# Altium PCB PuttPilot-Dev.PcbDoc (part 1 of 2) (continued)
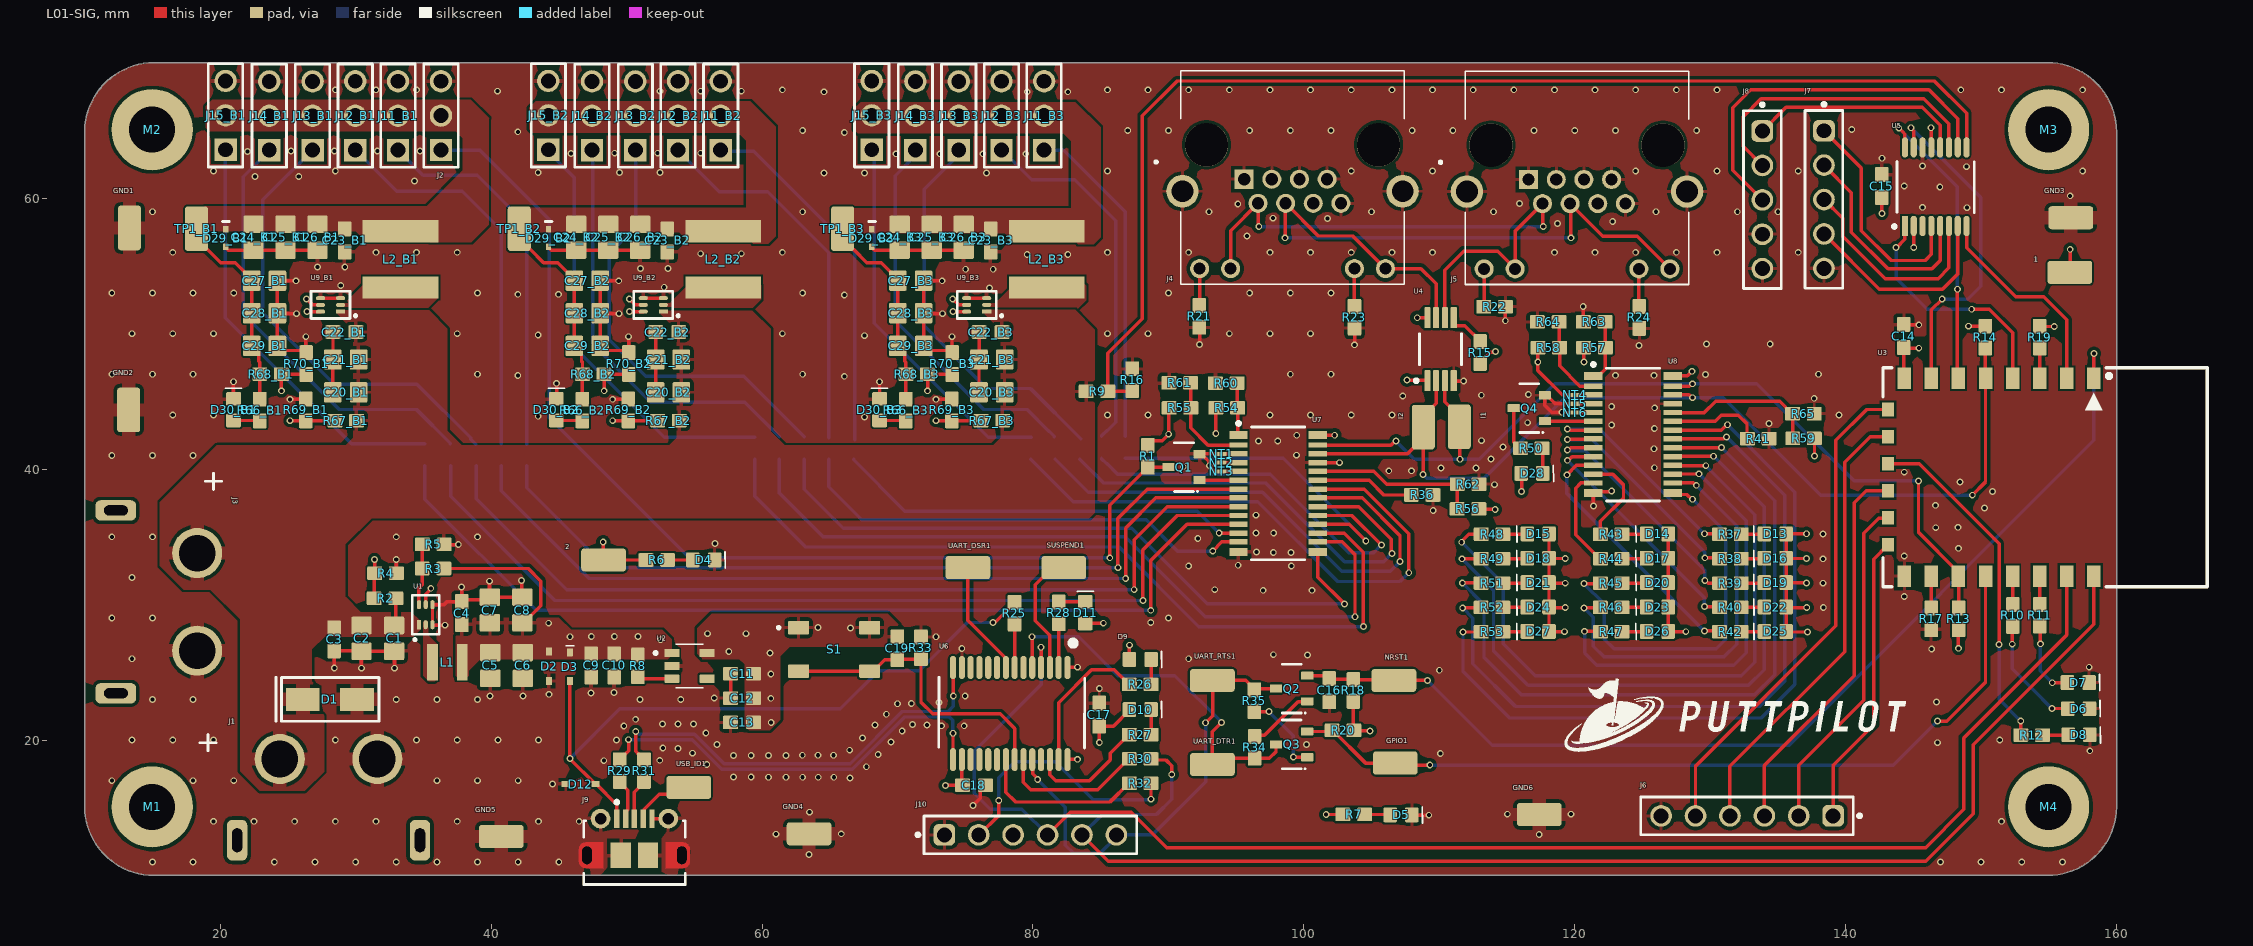
[diagram p0: L01-SIG view]
## Components (designator, comment, footprint, x,y, rotation, side; value= is the part's Value field where it differs from the comment) (continued)
J15_B2 "TSW-101-08-G-T-RA" HEADER_3POS_R/A_2.54MM 44.153,65.506 r0 top (schematic designator J15)
J15_B3 "TSW-101-08-G-T-RA" HEADER_3POS_R/A_2.54MM 68.028,65.506 r0 top (schematic designator J15)
L1 "NRH3012T4R7MN" NRH3012T4R7MN 36.775,25.75 r0 top
L2_B1 "SRP6060FA-5R6M" SRP6060FA-5R6M 33.316,55.481 r90 top (schematic designator L2)
L2_B2 "SRP6060FA-5R6M" SRP6060FA-5R6M 57.141,55.481 r90 top (schematic designator L2)
L2_B3 "SRP6060FA-5R6M" SRP6060FA-5R6M 81.016,55.481 r90 top (schematic designator L2)
M1 ".HOLE_M3" .HOLE_M3 15,15 r0 top locked
M2 ".HOLE_M3" .HOLE_M3 15,65 r0 top locked
M3 ".HOLE_M3" .HOLE_M3 155,65 r0 top locked
M4 ".HOLE_M3" .HOLE_M3 155,15 r0 top locked
NRST1 "RCWCTE" RCWCTE 106.62,24.48 r180 top
NT1 ".NET_TIE" .NET_TIE 93.76,41.125 r0 top
NT2 ".NET_TIE" .NET_TIE 93.76,40.475 r0 top
NT3 ".NET_TIE" .NET_TIE 93.76,39.825 r0 top
NT4 ".NET_TIE" .NET_TIE 119.86,45.475 r0 top
NT5 ".NET_TIE" .NET_TIE 119.86,44.825 r0 top
NT6 ".NET_TIE" .NET_TIE 119.855,44.178 r0 top
Q1 "DMN6140L-7" .SOT-23-3 91.204,40.273 r180 top
Q2 "MMBT2222A-7-F" .SOT-23-3 99.154,23.923 r180 top
Q3 "MMBT2222A-7-F" .SOT-23-3 99.15,19.8 r180 top
Q4 "DMN6140L-7" .SOT-23-3 116.7,44.625 r180 top
R1 "RC0603FR-071KL" .RES_0603 88.5,40.9 r90 top
R2 "ERJ-3EKF2002V" .RES_0603 32.125,30.45 r0 top
R3 "RC0603FR-0773K2L" .RES_0603 35.675,32.65 r0 top
R4 "RC0603FR-0710KL" .RES_0603 32.25,32.325 r180 top
R5 "RC0603FR-0710KL" .RES_0603 35.775,34.45 r180 top
R6 "RC0603FR-071KL" .RES_0603 52.275,33.3 r180 top
R7 "RC0603FR-071KL" .RES_0603 103.725,14.515 r180 top
R8 "RC0603FR-071KL" .RES_0603 50.85,25.425 r90 top
R9 "RC0603FR-07140KL" .RES_0603 84.775,45.75 r180 top
R10 "RC0603FR-071KL" .RES_0603 152.35,29.15 r90 top
R11 "RC0603FR-071KL" .RES_0603 154.35,29.175 r90 top
R12 "RC0603FR-071KL" .RES_0603 153.775,20.375 r180 top
R13 "RC0603FR-071KL" .RES_0603 148.325,29 r270 top
R14 "RC0603FR-071KL" .RES_0603 150.325,49.7 r90 top
R15 "RC0603FR-0710KL" .RES_0603 113,48.65 r270 top
R16 "RC0603FR-0710KL" .RES_0603 87.325,46.65 r270 top
R17 "RC0603FR-0710KL" .RES_0603 146.325,28.9 r90 top
R18 "RC0603FR-0710KL" .RES_0603 103.65,23.7 r270 top
R19 "RC0603FR-0710KL" .RES_0603 154.325,49.7 r90 top
R20 "RC0603FR-0710KL" .RES_0603 102.85,20.7 r0 top
R21 "RC0603FR-07560RL" .RES_0603 92.3,51.225 r90 top
R22 "RC0603FR-07560RL" .RES_0603 114.125,52 r180 top
R23 "RC0603FR-07560RL" .RES_0603 103.75,51.175 r90 top
R24 "RC0603FR-07560RL" .RES_0603 124.775,51.15 r90 top
R25 "RC0603FR-071KL" .RES_0603 78.65,29.325 r90 top
R26 "RC0603FR-07560RL" .RES_0603 87.875,24.09 r0 top
R27 "RC0603FR-07560RL" .RES_0603 87.875,20.39 r0 top
R28 "RC0603FR-07560RL" .RES_0603 81.925,29.35 r90 top
R29 "RC0603FR-0724RL" .RES_0603 49.5,17.7 r90 top
R30 "RC0603FR-071KL" .RES_0603 87.875,18.59 r0 top
R31 "RC0603FR-0724RL" .RES_0603 51.3,17.7 r90 top
R32 "RC0603FR-071KL" .RES_0603 87.875,16.79 r0 top
R33 "RC0603FR-071KL" .RES_0603 71.725,26.85 r270 top
R34 "RC0603FR-0710KL" .RES_0603 96.35,19.5 r270 top
R35 "RC0603FR-0710KL" .RES_0603 96.361,22.857 r90 top
R36 "RC0603FR-0710KL" .RES_0603 108.775,38.1 r180 top
R37 "RC0603FR-07240RL" .RES_0603 131.45,35.175 r0 top
R38 "RC0603FR-07240RL" .RES_0603 131.45,33.375 r0 top
R39 "RC0603FR-07240RL" .RES_0603 131.45,31.575 r0 top
R40 "RC0603FR-07240RL" .RES_0603 131.45,29.775 r0 top
R41 "RC0603FR-0710KL" .RES_0603 133.593,42.261 r180 top
R42 "RC0603FR-07240RL" .RES_0603 131.45,27.975 r0 top
R43 "RC0603FR-07240RL" .RES_0603 122.65,35.175 r0 top
R44 "RC0603FR-07240RL" .RES_0603 122.65,33.375 r0 top
R45 "RC0603FR-07240RL" .RES_0603 122.65,31.575 r0 top
R46 "RC0603FR-07240RL" .RES_0603 122.65,29.775 r0 top
R47 "RC0603FR-07240RL" .RES_0603 122.65,27.975 r0 top
R48 "RC0603FR-07240RL" .RES_0603 113.85,35.175 r0 top
R49 "RC0603FR-07240RL" .RES_0603 113.85,33.375 r0 top
R50 "RC0603FR-07240RL" .RES_0603 116.75,41.525 r0 top
R51 "RC0603FR-07240RL" .RES_0603 113.85,31.575 r0 top
R52 "RC0603FR-07240RL" .RES_0603 113.85,29.775 r0 top
R53 "RC0603FR-07240RL" .RES_0603 113.85,27.975 r0 top
R54 "RC0603FR-071KL" .RES_0603 94.35,44.525 r180 top
R55 "RC0603FR-071KL" .RES_0603 90.9,44.525 r180 top
R56 "RC0603FR-071KL" .RES_0603 112.075,37.05 r0 top
R57 "RC0603FR-071KL" .RES_0603 121.5,48.975 r180 top
R58 "RC0603FR-071KL" .RES_0603 118.125,48.975 r180 top
R59 "RC0603FR-071KL" .RES_0603 136.85,42.25 r0 top
R60 "RC0603FR-071KL" .RES_0603 94.232,46.339 r0 top
R61 "RC0603FR-071KL" .RES_0603 90.8,46.35 r0 top
R62 "RC0603FR-071KL" .RES_0603 112.175,38.9 r180 top
R63 "RC0603FR-071KL" .RES_0603 121.4,50.85 r0 top
R64 "RC0603FR-071KL" .RES_0603 118,50.85 r0 top
R65 "RC0603FR-071KL" .RES_0603 136.925,44.1 r180 top
R66_B1 "RC0603FR-071KL" .RES_0603 22.928,44.313 r90 top (schematic designator R66)
R66_B2 "RC0603FR-071KL" .RES_0603 46.753,44.313 r90 top (schematic designator R66)
R66_B3 "RC0603FR-071KL" .RES_0603 70.628,44.313 r90 top (schematic designator R66)
R67_B1 "ERJ-3EKF2002V" .RES_0603 29.227,43.569 r0 top (schematic designator R67)
R67_B2 "ERJ-3EKF2002V" .RES_0603 53.052,43.569 r0 top (schematic designator R67)
R67_B3 "ERJ-3EKF2002V" .RES_0603 76.927,43.569 r0 top (schematic designator R67)
R68_B1 "RC0603FR-0788K7L" .RES_0603 23.766,47.023 r180 top (schematic designator R68)
R68_B2 "RC0603FR-0788K7L" .RES_0603 47.591,47.023 r180 top (schematic designator R68)
R68_B3 "RC0603FR-0788K7L" .RES_0603 71.466,47.023 r180 top (schematic designator R68)
R69_B1 "RC0603FR-0710KL" .RES_0603 26.306,44.407 r270 top (schematic designator R69)
R69_B2 "RC0603FR-0710KL" .RES_0603 50.131,44.407 r270 top (schematic designator R69)
R69_B3 "RC0603FR-0710KL" .RES_0603 74.006,44.407 r270 top (schematic designator R69)
R70_B1 "RC0603FR-0710KL" .RES_0603 26.331,47.836 r270 top (schematic designator R70)
R70_B2 "RC0603FR-0710KL" .RES_0603 50.156,47.836 r270 top (schematic designator R70)
R70_B3 "RC0603FR-0710KL" .RES_0603 74.031,47.836 r270 top (schematic designator R70)
R71_B1 "RC0603FR-07240RL" .RES_0603 42.625,41.075 r270 bottom (schematic designator R71)
R71_B2 "RC0603FR-07240RL" .RES_0603 66.775,41.575 r270 bottom (schematic designator R71)
R71_B3 "RC0603FR-07240RL" .RES_0603 86.825,41.65 r270 bottom (schematic designator R71)
R72_B1 "RC0603FR-07240RL" .RES_0603 40.8,41.075 r270 bottom (schematic designator R72)
R72_B2 "RC0603FR-07240RL" .RES_0603 64.925,41.55 r270 bottom (schematic designator R72)
R72_B3 "RC0603FR-07240RL" .RES_0603 85.075,41.65 r270 bottom (schematic designator R72)
R73_B1 "RC0603FR-07240RL" .RES_0603 38.875,41.075 r270 bottom (schematic designator R73)
R73_B2 "RC0603FR-07240RL" .RES_0603 63.125,41.575 r270 bottom (schematic designator R73)
R73_B3 "RC0603FR-07240RL" .RES_0603 83.35,41.65 r270 bottom (schematic designator R73)
R74_B1 "RC0603FR-07240RL" .RES_0603 37,41.1 r270 bottom (schematic designator R74)
R74_B2 "RC0603FR-07240RL" .RES_0603 61.275,41.575 r270 bottom (schematic designator R74)
R74_B3 "RC0603FR-07240RL" .RES_0603 81.6,41.625 r270 bottom (schematic designator R74)
R75_B1 "RC0603FR-07240RL" .RES_0603 35.1,41.1 r270 bottom (schematic designator R75)
R75_B2 "RC0603FR-07240RL" .RES_0603 59.475,41.6 r270 bottom (schematic designator R75)
R75_B3 "RC0603FR-07240RL" .RES_0603 79.9,41.6 r270 bottom (schematic designator R75)
S1 "PTS647SN38SMTR2LFS" PTS647SN38SMTR2LFS 65.325,26.65 r0 top
SUSPEND1 "RCWCTE" RCWCTE 82.245,32.805 r180 top
TP1_B1 "RCWCTE" RCWCTE 18.174,57.72 r270 top (schematic designator TP1)
TP1_B2 "RCWCTE" RCWCTE 41.999,57.72 r270 top (schematic designator TP1)
TP1_B3 "RCWCTE" RCWCTE 65.874,57.72 r270 top (schematic designator TP1)
U1 "TPS566242DRLR" TPS566242DRLR 35.175,29.25 r90 top
U2 "TLV75533PDBVR" .SOT-23-5 54.65,25.525 r0 top
U3 "2491-ESP8266" 2491-ESP8266 151.934,39.355 r270 top locked
U4 "TCA9509DGKR" TCA9509DGKR 110.1,48.85 r90 top
U5 "TMUX1208PWR" TMUX1208 146.65,60.85 r90 top
U6 "CY7C64225-28PVXCT" CY7C64225-28PVXCT 78.325,21.95 r270 top
U7 "PCA9685PW,112" PCA9685PW,112 98.1,38.2 r0 top
U8 "PCA9685PW,112" PCA9685PW,112 124.3,42.55 r0 top
U9_B1 "TPS566242DRLR" TPS566242DRLR 28.149,52.12 r180 top (schematic designator U9)
U9_B2 "TPS566242DRLR" TPS566242DRLR 51.974,52.12 r180 top (schematic designator U9)
U9_B3 "TPS566242DRLR" TPS566242DRLR 75.849,52.12 r180 top (schematic designator U9)
UART_DSR1 "RCWCTE" RCWCTE 75.17,32.805 r180 top
UART_DTR1 "RCWCTE" RCWCTE 93.22,18.28 r180 top
UART_RTS1 "RCWCTE" RCWCTE 93.22,24.48 r180 top
USB_ID1 "RCWCTE" RCWCTE 54.57,16.58 r180 top

## Footprints (in the part's own frame and the unit in brackets; to place one, negate y for a bottom-side part, rotate by r counter-clockwise, add the part's x,y. Pads: shape width x height; smd on the part's side, far side on the other; paste and mask are expansions set on the pad)
2491-ESP8266 [mm]
  rect 1.6x1 smd: 1(-7.345,6.391) 2(-7.345,4.391) 3(-7.345,2.391) 4(-7.345,0.391) 5(-7.345,-1.609) 6(-7.345,-3.609) 7(-7.345,-5.609) 8(-7.345,-7.609) 15(7.255,-7.609) 16(7.255,-5.609) 17(7.255,-3.609) 18(7.255,-1.609) 19(7.255,0.391) 20(7.255,2.391) 21(7.255,4.391) 22(7.255,6.391)
  rect 1x0.9 smd: 9(-5.045,-8.809) 10(-3.045,-8.809) 11(-1.045,-8.809) 12(0.955,-8.809) 13(2.955,-8.809) 14(4.955,-8.809)
  silkscreen extent -8.13,-9.18 8.04,14.76, body extent -8.04,-9.1 7.96,14.9, height 2.75
.CAP_0603 [mm] "GENERIC 0603 CAPACITOR"
  rrect15% 1.1x1 smd: 1(-0.873,0.07) 2(0.827,0.07)
  body extent -0.9,-0.38 0.85,0.57, height 0.87
.CAP_0805 [mm] "GENERIC 0805 CAPACITOR"
  rrect15% 1.3x1.5 smd: 1(-0.995,0.036) 2(0.905,0.036)
  body extent -1.14,-0.66 1.05,0.79, height 1.39
.HOLE_M3 [mm]
  round 6 hole 3.4: 1(-0.02,0.06)
.LED_0603 [mm] ".GENERIC 0603 LED"
  rrect20% 1x1.1 smd: 1(-0.75,-0.04) 2(0.85,-0.04)
  silkscreen extent 1.62,-0.64 1.64,0.56, body extent -0.76,-0.44 0.86,0.36, height 0.6
.NET_TIE [mm]
  rrect15% 0.4x0.3 smd paste-2539.97 mask+0: 1(-0.025,0) 2(0.34,0)
.RES_0603 [mm] "GENERIC 0603 RESISTOR"
  rrect15% 1.1x1 smd: 1(-0.757,0.011) 2(0.843,0.011)
  body extent -0.76,-0.39 0.84,0.41, height 0.46
.SOT-23-3 [mm]
  rrect15% 0.9x0.6 smd: 1(-1.096,1.073) 2(-1.096,-0.827) 3(1.204,0.123)
  silkscreen extent -1,-1.68 0.75,1.97, body extent -1.25,-1.38 1.35,1.62, height 1.1
.SOT-23-5 [mm] ".GENERIC SOT-23-5"
  rrect10% 1.1x0.6 smd: 1(-1.3,0.9) 2(-1.3,-0.05) 3(-1.3,-1) 4(1.3,-1) 5(1.3,0.9)
  silkscreen extent -2.61,-1.65 1,1.55, body extent -1.4,-1.5 1.4,1.4, height 1.45
BAT60JFILM [mm]
  rrect15% 0.59x0.45 smd: 1(-1.115,-0.04) 2(0.995,-0.04)
  silkscreen extent 1.5,-0.38 1.5,0.28, body extent -1.31,-0.68 1.19,0.6, height 1.17
CY7C64225-28PVXCT [mm]
  oval 1.7x0.45 smd: 1(-3.405,4.225) 2(-3.405,3.575) 3(-3.405,2.925) 4(-3.405,2.275) 5(-3.405,1.625) 6(-3.405,0.975) 7(-3.405,0.325) 8(-3.405,-0.325) 9(-3.405,-0.975) 10(-3.405,-1.625) 11(-3.405,-2.275) 12(-3.405,-2.925) 13(-3.405,-3.575) 14(-3.405,-4.225) 15(3.395,-4.225) 16(3.395,-3.575) 17(3.395,-2.925) 18(3.395,-2.275) 19(3.395,-1.625) 20(3.395,-0.975) 21(3.395,-0.325) 22(3.395,0.325) 23(3.395,0.975) 24(3.395,1.625) 25(3.395,2.275) 26(3.395,2.925) 27(3.395,3.575) 28(3.395,4.225)
  silkscreen extent -5.4,-5.28 2.54,5.5, body extent -4.05,-5.19 4.05,5.19, height 2.01
DESD5V0U1BA-7 [mm]
  rect 0.59x0.45 smd: 1(-1.09,0) 2(1.09,0)
  body extent -1.35,-0.7 1.35,0.7, height 1.2
ESD5Z6.0T1G [mm]
  rect 0.48x0.4 smd: 1(-0.66,0) 2(0.66,0)
  silkscreen extent -1.22,-0.24 -1.22,0.26, body extent -0.85,-0.44 0.85,0.44, height 0.46
HEADER_3POS_R/A_2.54MM [mm]
  rect 1.65x1.65 / inner round 1.65 / far side rect 1.65x1.65 hole 1.1: 1(0.072,-1.931)
  round 1.65 hole 1.1: 2(0.072,0.609) 3(0.072,3.149)
  silkscreen extent -1.2,-3.2 1.34,4.42, body extent -1.2,-2.25 1.34,13.05, height 8.1
HEADER_5POS_2.54MM [mm]
  rrect50% 1.6x1.6 hole 1.1 mask+0.1: 1(-5.08,0)
  round 1.6 hole 1.1 mask+0.1: 2(-2.54,0) 3(0,0) 4(2.54,0) 5(5.08,0)
  silkscreen extent -7.15,-1.39 6.55,1.4, body extent -6.38,-1.18 6.32,1.36, height 10.62
HEADER_6POS_2.54MM [mm]
  rrect50% 1.6x1.6 hole 1.1 mask+0.1: 1(-6.35,0)
  round 1.6 hole 1.1 mask+0.1: 2(-3.81,0) 3(-1.27,0) 4(1.27,0) 5(3.81,0) 6(6.35,0)
  silkscreen extent -8.43,-1.4 7.84,1.4, body extent -7.62,-1.27 7.62,1.27, height 8.57
MTJ-88ARX1-FSM-LG [mm]
  rect 1.408x1.408 / inner round 1.408 / far side rect 1.408x1.408 hole 0.9: 1(3.403,0.537)
  round 1.408 hole 0.9: 2(2.383,2.317) 3(1.363,0.537) 4(0.343,2.317) 5(-0.677,0.537) 6(-1.697,2.317) 7(-2.717,0.537) 8(-3.737,2.317) 9(6.693,7.137) 10(4.403,7.137) 11(-4.737,7.137) 12(-7.027,7.137)
  round 2.4 hole 1.6: SH1(-8.292,1.427) SH2(7.958,1.427)
  round 3.2 hole 3.2 unplated: ""(-6.517,-2.003) ""(6.183,-2.003)
  silkscreen extent -8.42,-7.46 10.01,8.29, body extent -8.57,-7.66 8.24,8.48, height 13.21
NRH3012T4R7MN [mm]
  rect 0.8x2.7 smd: 1(-1.1,0) 2(1.1,0)
  body extent -1.55,-1.55 1.55,1.55, height 1.19
PCA9685PW,112 [mm]
  rect 1.35x0.6 smd: 1(-2.924,4.326) 14(-2.924,-4.324) 15(2.926,-4.324) 28(2.926,4.326)
  rect 1.35x0.4 smd: 2(-2.924,3.576) 3(-2.924,2.926) 4(-2.924,2.276) 5(-2.924,1.626) 6(-2.924,0.976) 7(-2.924,0.326) 8(-2.924,-0.324) 9(-2.924,-0.974) 10(-2.924,-1.624) 11(-2.924,-2.274) 12(-2.924,-2.924) 13(-2.924,-3.574) 16(2.926,-3.574) 17(2.926,-2.924) 18(2.926,-2.274) 19(2.926,-1.624) 20(2.926,-0.974) 21(2.926,-0.324) 22(2.926,0.326) 23(2.926,0.976) 24(2.926,1.626) 25(2.926,2.276) 26(2.926,2.926) 27(2.926,3.576)
  silkscreen extent -3.05,-4.9 1.96,5.3, body extent -3.3,-4.9 3.3,4.9, height 1.09
PTS647SN38SMTR2LFS [mm]
  rrect15% 1.55x1 smd mask+0.1: 1(-2.625,1.64) 2(2.625,1.64) 3(-2.625,-1.56) 4(2.625,-1.56)
  silkscreen extent -4.2,1.54 -4,1.74, body extent -3.25,-2.21 3.25,2.29, height 3.8
RCWCTE [mm]
  rrect25% 3.3x1.7 smd: 1(-0.03,0.08)
  body extent -1.63,-0.72 1.57,0.88, height 2.01
SMAJ12A-13-F [mm]
  rect 2.5x1.7 smd: 1(-2,0) 2(2,0)
  silkscreen extent -3.62,-1.64 3.98,1.62, body extent -2.8,-1.46 2.8,1.46, height 2.35
SRP6060FA-5R6M [mm]
  rect 1.65x5.6 smd: 1(-2.075,0) 2(2.075,0)
  body extent -3.2,-3.3 3.2,3.3, height 5.91
TCA9509DGKR [mm]
  rrect22% 1.55x0.45 smd mask+0.075: 1(-2.325,0.982) 2(-2.325,0.332) 3(-2.325,-0.318) 4(-2.325,-0.968) 5(2.325,-0.968) 6(2.325,-0.318) 7(2.325,0.332) 8(2.325,0.982)
  silkscreen extent -2.45,-1.54 1.15,1.93, body extent -2.45,-1.49 2.45,1.51, height 0.94
TMUX1208 [mm]
  rect 1.5x0.45 smd mask+0.075: 1(-2.9,2.275)
  oval 1.5x0.45 smd mask+0.075: 2(-2.9,1.625) 3(-2.9,0.975) 4(-2.9,0.325) 5(-2.9,-0.325) 6(-2.9,-0.975) 7(-2.9,-1.625) 8(-2.9,-2.275) 9(2.9,-2.275) 10(2.9,-1.625) 11(2.9,-0.975) 12(2.9,-0.325) 13(2.9,0.325) 14(2.9,0.975) 15(2.9,1.625) 16(2.9,2.275)
  silkscreen extent -3.06,-2.84 1.86,3.18, body extent -3.2,-2.5 3.2,2.5, height 1.2
TPS566242DRLR [mm]
  rect 0.67x0.3 smd mask+0.075: 1(-0.74,0.5)
  oval 0.67x0.3 smd mask+0.075: 2(-0.74,0) 3(-0.74,-0.5) 4(0.74,-0.5) 5(0.74,0) 6(0.74,0.5)
  silkscreen extent -1.9,-1 1.44,1, body extent -0.8,-0.78 0.8,0.78, height 0.6
USB_MICRO_B [mm]
  rect 0.4x1.35 smd: 1(-1.32,2.39) 2(-0.67,2.39) 3(-0.02,2.39) 4(0.63,2.39) 5(1.28,2.39)
  round 1.45 hole 0.85: 6(-2.52,2.39) 7(2.48,2.39)
  rrect50% 0x0 hole 0.7 slot 1.3 at 90 deg: 8(-3.52,-0.31) 11(3.48,-0.31)
  rect 1.5x1.9 smd: 9(-1.02,-0.31) 10(0.98,-0.31)
  L01-SIG circle w0.5: c-3.62,-0.76 r0.25
  L01-SIG circle w0.5: c-3.62,0.14 r0.25
  L01-SIG circle w0.5: c3.58,-0.76 r0.25
  L01-SIG circle w0.5: c3.58,0.14 r0.25
  L01-SIG region: -3.62,-0.76 -3.62,0.14 -4.12,0.14 -4.12,-0.76
  L01-SIG region: 3.58,0.14 3.58,-0.76 4.08,-0.76 4.08,0.14
  L01-SIG region: 2.28,0.64 2.28,-1.26 3.58,-1.26 3.58,0.64
  L01-SIG region: -2.32,-1.26 -2.32,0.64 -3.62,0.64 -3.62,-1.26
  silkscreen extent -3.77,-2.46 3.73,3.74, body extent -4.12,-2.86 4.08,2.54, height 2.67
XT60PW-M [mm] "XT60 Male"
  round 3.7 hole 2.7: 1(3.6,-6) 2(-3.6,-6)
  rrect50% 1.5x3 hole 0.75 slot 1.75 at 90 deg: MH0(-6.75,0) MH1(6.75,0)
  silkscreen extent 8.3,-7.8 9.5,-6.6, body extent -7.75,-7.85 7.75,10.35, height 8.41

## Part data
1 2 GND1 GND2 GND3 GND4 GND5 GND6 GPIO1 I1 I2 NRST1 SUSPEND1 TP1_B1 TP1_B2 TP1_B3 UART_DSR1 UART_DTR1 UART_RTS1 USB_ID1: "SMT Test Point", Case Code (Imperial)=1206, Case Code (Metric)=3216, Current Rating=2A, Manufacturer="KOA Speer", Max Operating Temperature=125°C, Min Operating Temperature=-55°C, Resistance=0R, Supplier Part Number 1=2019-RCWCTECT-ND, Case/Package=1206, Category="Chip SMD Resistors", ComponentLink1Description=https://datasheet.ciiva.com/34302/1876186-34302940.pdf?src-supplier=Jameco, ComponentLink1URL=https://datasheet.ciiva.com/34302/1876186-34302940.pdf?src-supplier=Jameco, ComponentLink2Description=https://datasheet.ciiva.com/5556/rc-5556236.pdf?src-supplier=Mouser, ComponentLink2URL=https://datasheet.ciiva.com/5556/rc-5556236.pdf?src-supplier=Mouser, ComponentLink3Description=https://datasheet.ciiva.com/26821/getdatasheetpartid-110197-26821157.pdf?src-supplier=Verical, ComponentLink3URL=https://datasheet.ciiva.com/26821/getdatasheetpartid-110197-26821157.pdf?src-supplier=Verical, Contact Material=Copper,Tin, Depth=1.6mm, Height=2mm, Length=3.2mm, Manufacturer Part Number=RCWCTE, Military Standard=Not, Mount="Surface Mount", Number of Contacts=1, Packaging="Tape and Reel", Pricing 1="1=0.2, 10=0.15, 25=0.1344, 50=0.1238, 100=0.1141, 250=0.10268, 500=0.09488, 1000=0.08781 (USD)", RoHS=Yes, RoHS Compliant=Yes, Series=RC, Stock 1=56953, Supplier 1=Digikey, Termination=SMD/SMT, Width=1.6mm
C1 C2 C5 C6 C7 C8 C20_B1 C20_B2 C20_B3 C21_B1 C21_B2 C21_B3 C24_B1 C24_B2 C24_B3 C25_B1 C25_B2 C25_B3 C26_B1 C26_B2 C26_B3 C27_B1 C27_B2 C27_B3 C28_B1 C28_B2 C28_B3 C29_B1 C29_B2 C29_B3: "CAP CER 22uF 25V X5R 0805", Capacitance=22uF, Capacitor Type=Ceramic, Manufacturer=Murata, Max Operating Temperature=85°C, Min Operating Temperature=-55°C, Negative Tolerance=20%, Package Shape=Rectangular, Package Style=SMTMeter, Rated DC Voltage (URdc)=25V, Supplier Part Number 1=1092989, Temperature Characteristics Code=X5R, Category="Ceramic Capacitors", ComponentLink1Description=https://datasheet.ciiva.com:443/pdfs/VipMasterIC/IC/MURE/MURE-S-A0002977178/MURE-S-A0002978778-1.pdf?src-supplier=IHS+Markit, ComponentLink1URL=https://datasheet.ciiva.com:443/pdfs/VipMasterIC/IC/MURE/MURE-S-A0002977178/MURE-S-A0002978778-1.pdf?src-supplier=IHS+Markit, ComponentLink2Description=http://www.mouser.com/ds/2/281/c02e-2905.pdf?src-supplier=Mouser, ComponentLink2URL=http://www.mouser.com/ds/2/281/c02e-2905.pdf?src-supplier=Mouser, ComponentLink3Description=https://datasheet.octopart.com/GRM21BR61E226ME44K-Murata-datasheet-155345081.pdf?src-supplier=Element14, ComponentLink3URL=https://datasheet.octopart.com/GRM21BR61E226ME44K-Murata-datasheet-155345081.pdf?src-supplier=Element14, ComponentLink4Description=http://search.murata.co.jp/Ceramy/image/img/A01X/G101/ENG/GRM21BR61E226ME44-01.pdf?src-supplier=Digikey, ComponentLink4URL=http://search.murata.co.jp/Ceramy/image/img/A01X/G101/ENG/GRM21BR61E226ME44-01.pdf?src-supplier=Digikey, ComponentLink5Description=https://search.murata.co.jp/Ceramy/image/img/A01X/G101/ENG/GRM21BR61E226ME44-01.pdf?src-supplier=Digikey, ComponentLink5URL=https://search.murata.co.jp/Ceramy/image/img/A01X/G101/ENG/GRM21BR61E226ME44-01.pdf?src-supplier=Digikey, ComponentLink6Description=https://datasheet.octopart.com/GRM21BR61E226ME44K-Murata-datasheet-99353850.pdf?src-supplier=Future+Electronics, ComponentLink6URL=https://datasheet.octopart.com/GRM21BR61E226ME44K-Murata-datasheet-99353850.pdf?src-supplier=Future+Electronics, ComponentLink7Description=https://datasheet.octopart.com/GRM21BR61E226ME44K-Murata-datasheet-155345081.pdf?src-supplier=Newark, ComponentLink7URL=https://datasheet.octopart.com/GRM21BR61E226ME44K-Murata-datasheet-155345081.pdf?src-supplier=Newark, ComponentLink8Description=https://datasheet.octopart.com/GRM21BR61E226ME44K-Murata-datasheet-165579666.pdf?src-supplier=TME, ComponentLink8URL=https://datasheet.octopart.com/GRM21BR61E226ME44K-Murata-datasheet-165579666.pdf?src-supplier=TME, Dielectric Material=Ceramic, Height=1.25mm, JESD-609 Code=e3, Length=2mm, Manufacturer Part Number=GRM21BR61E226ME44K, Mount="Surface Mount", Multilayer=Yes, Number of Pins=2, Packaging="Tape and Reel", Positive Tolerance=20%, Pricing 1="10000=0.0684, 20000=0.0672, 30000=0.0661 (USD)", Reach SVHC Compliant=Yes, RoHS=Yes, RoHS Compliant=Yes, Size Code=0805, Stock 1=60000, Supplier 1="Future Electronics", Terminal Finish=Nickel, Termination=Wraparound, Width=1.25mm
C3 C4 C11 C14 C15 C16 C17 C18 C22_B1 C22_B2 C22_B3 C23_B1 C23_B2 C23_B3: "CAP CER 0.1uF 50V X7R 0603", Capacitance=0.1uF, Capacitor Type=Ceramic, Manufacturer=Murata, Max Operating Temperature=125°C, Min Operating Temperature=-55°C, Negative Tolerance=10%, Package Shape=Rectangular, Package Style=SMTMeter, Rated DC Voltage (URdc)=50V, Supplier Part Number 1=1158604, Temperature Characteristics Code=X7R, Category="Ceramic Capacitors", ComponentLink1Description=https://psearch.en.murata.com:443/capacitor/product/GCJ188R71H104KA12%23.pdf?src-supplier=IHS+Markit, ComponentLink1URL=https://psearch.en.murata.com:443/capacitor/product/GCJ188R71H104KA12%23.pdf?src-supplier=IHS+Markit, ComponentLink2Description=https://datasheet.ciiva.com/135/product-135604.pdf?src-supplier=Digikey, ComponentLink2URL=https://datasheet.ciiva.com/135/product-135604.pdf?src-supplier=Digikey, ComponentLink3Description=https://datasheet.ciiva.com/26889/getdatasheetpartid-369886-26889118.pdf?src-supplier=Verical, ComponentLink3URL=https://datasheet.ciiva.com/26889/getdatasheetpartid-369886-26889118.pdf?src-supplier=Verical, ComponentLink4Description=https://datasheet.ciiva.com/135/s0717e-135605.pdf?src-supplier=Digikey, ComponentLink4URL=https://datasheet.ciiva.com/135/s0717e-135605.pdf?src-supplier=Digikey, ComponentLink5Description=https://datasheet.ciiva.com/135/s0717e-135606.pdf?src-supplier=Digikey, ComponentLink5URL=https://datasheet.ciiva.com/135/s0717e-135606.pdf?src-supplier=Digikey, ComponentLink6Description=https://datasheet.ciiva.com/16440/c03e-16440425.pdf?src-supplier=Future+Electronics, ComponentLink6URL=https://datasheet.ciiva.com/16440/c03e-16440425.pdf?src-supplier=Future+Electronics, Dielectric Material=Ceramic, Height=0.8mm, JESD-609 Code=e3, Length=1.6mm, Manufacturer Part Number=GCJ188R71H104KA12D, Mount="Surface Mount", Multilayer=Yes, Number of Pins=2, Packaging="Tape and Reel", Positive Tolerance=10%, Pricing 1="4000=0.0182, 12000=0.0178, 20000=0.0176, 80000=0.017, 120000=0.0167 (USD)", Reach SVHC Compliant=Yes, Reference Standard=AEC-Q200, RoHS=Yes, RoHS Compliant=Yes, Size Code=0603, Stock 1=3280000, Supplier 1="Future Electronics", Terminal Finish=Nickel, Termination=Wraparound, Width=0.8mm
C9 C10 C12 C13: "CAP CER 1uF 25V X7R 0603", Capacitance=1uF, Capacitor Type=Ceramic, Manufacturer=Murata, Max Operating Temperature=125°C, Min Operating Temperature=-55°C, Negative Tolerance=10%, Package Shape=Rectangular, Rated DC Voltage (URdc)=25V, Supplier Part Number 1=6183026, Temperature Characteristics Code=X7R, Category="Ceramic Capacitors", ComponentLink1Description=https://datasheet.ciiva.com:443/pdfs/VipMasterIC/IC/MURE/MURE-S-A0004410517/MURE-S-A0004413605-1.pdf?src-supplier=IHS+Markit, ComponentLink1URL=https://datasheet.ciiva.com:443/pdfs/VipMasterIC/IC/MURE/MURE-S-A0004410517/MURE-S-A0004413605-1.pdf?src-supplier=IHS+Markit, ComponentLink2Description=http://www.farnell.com/datasheets/2165962.pdf?src-supplier=Farnell, ComponentLink2URL=http://www.farnell.com/datasheets/2165962.pdf?src-supplier=Farnell, ComponentLink3Description=https://datasheet.octopart.com/GRT188R71E105KE13D-Murata-datasheet-149523601.pdf?src-supplier=Farnell, ComponentLink3URL=https://datasheet.octopart.com/GRT188R71E105KE13D-Murata-datasheet-149523601.pdf?src-supplier=Farnell, ComponentLink4Description=https://datasheet.octopart.com/GRT188R71E105KE13D-Murata-datasheet-67697754.pdf?src-supplier=Newark, ComponentLink4URL=https://datasheet.octopart.com/GRT188R71E105KE13D-Murata-datasheet-67697754.pdf?src-supplier=Newark, ComponentLink5Description=https://datasheet.octopart.com/GRT188R71E105KE13D-Murata-datasheet-165579666.pdf?src-supplier=TME, ComponentLink5URL=https://datasheet.octopart.com/GRT188R71E105KE13D-Murata-datasheet-165579666.pdf?src-supplier=TME, Dielectric Material=Ceramic, JESD-609 Code=e3, Manufacturer Part Number=GRT188R71E105KE13D, Mount="Surface Mount", Multilayer=Yes, Number of Pins=2, Packaging="Tape and Reel", Positive Tolerance=10%, Pricing 1="4000=0.0164, 12000=0.0158, 20000=0.0155, 80000=0.0148, 120000=0.0144 (USD)", Reach SVHC Compliant=Yes, Reference Standard=AEC-Q200, RoHS=Yes, RoHS Compliant=Yes, Size Code=0603, Stock 1=236000, Supplier 1="Future Electronics", Terminal Finish=Nickel, Termination=Wraparound
C19: "CAP CER 0.01uF 100V X7R", Capacitance=10nF, Case Code (Imperial)=0603, Case Code (Metric)=1608, Dielectric=X7R, Manufacturer=Murata, Max Operating Temperature=125°C, Min Operating Temperature=-55°C, Package Quantity=1, Ratings=AEC-Q200, Supplier Part Number 1=5029232, Tolerance=10%, Voltage=100V, Case/Package=0603, Category="Ceramic Capacitors", ComponentLink1Description=https://datasheet.ciiva.com/132/product-132907.pdf?src-supplier=Digikey, ComponentLink1URL=https://datasheet.ciiva.com/132/product-132907.pdf?src-supplier=Digikey, ComponentLink2Description=https://datasheet.ciiva.com/132/product-132908.pdf?src-supplier=Digikey, ComponentLink2URL=https://datasheet.ciiva.com/132/product-132908.pdf?src-supplier=Digikey, ComponentLink3Description=https://datasheet.ciiva.com/132/product-132909.pdf?src-supplier=Digikey, ComponentLink3URL=https://datasheet.ciiva.com/132/product-132909.pdf?src-supplier=Digikey, ComponentLink4Description=https://datasheet.ciiva.com/16497/product-16497251.pdf?src-supplier=Future+Electronics, ComponentLink4URL=https://datasheet.ciiva.com/16497/product-16497251.pdf?src-supplier=Future+Electronics, ComponentLink5Description=https://datasheet.ciiva.com/18183/getdatasheetpartid-178890-18183651.pdf?src-supplier=Verical, ComponentLink5URL=https://datasheet.ciiva.com/18183/getdatasheetpartid-178890-18183651.pdf?src-supplier=Verical, ComponentLink6Description=https://datasheet.ciiva.com/11786/0900766b80ef92d0-11786108.pdf?src-supplier=Rs, ComponentLink6URL=https://datasheet.ciiva.com/11786/0900766b80ef92d0-11786108.pdf?src-supplier=Rs, ComponentLink7Description=https://datasheet.ciiva.com/11619/product-11619719.pdf?src-supplier=Avnet, ComponentLink7URL=https://datasheet.ciiva.com/11619/product-11619719.pdf?src-supplier=Avnet, Construction=Flat, Depth=0.8mm, Height=0.8mm, Lead Free="Lead Free", Length=1.6mm, Manufacturer Part Number=GCM188R72A103KA37D, Material=Ceramic, Mount="Surface Mount", Packaging="Tape and Reel", Pricing 1="4000=0.0077, 16000=0.0074, 60000=0.0071, 100000=0.007, 200000=0.0068 (USD)", Radiation Hardening=No, Reach SVHC Compliant=No, RoHS=Yes, RoHS Compliant=Yes, Series=GCM, Stock 1=4568000, Supplier 1="Future Electronics", Termination=SMD/SMT, Thickness=0.035inch, Voltage Rating=100V, Voltage Rating (DC)=100V, Width=0.031inch
D1: "TVS DIODE 12VWM", Breakdown Voltage-Nom=14V, Clamping Voltage-Max=19.9V, Manufacturer=Diodes, Max Breakdown Voltage=14.7V, Max Operating Temperature=150°C, Max Power Dissipation=1W, Min Breakdown Voltage=13.3V, Min Operating Temperature=-55°C, Non-rep Peak Rev Power Dis-Max=400W, Package Body Material=Plastic, Package Shape=Rectangular, Package Style="SMALL OUTLINEMeter", Peak Reflow Temperature (Cel)=260°C, Rep Pk Reverse Voltage-Max=12V, Supplier Part Number 1=SMAJ12A-FDICT-ND, Time @ Peak Reflow Temperature-Max (s)=40s, Additional Feature="EXCELLENT CLAMPING CAPABILITY", Category="TVS Diodes", ComponentLink1Description=https://datasheet.ciiva.com:443/pdfs/VipMasterIC/IC/DIOD/DIOD-S-A0009689838/DIOD-S-A0009691421-1.pdf?src-supplier=IHS+Markit, ComponentLink1URL=https://datasheet.ciiva.com:443/pdfs/VipMasterIC/IC/DIOD/DIOD-S-A0009689838/DIOD-S-A0009691421-1.pdf?src-supplier=IHS+Markit, ComponentLink2Description=https://datasheet.ciiva.com/15143/getdatasheetpartid-164236-15143864.pdf?src-supplier=Verical, ComponentLink2URL=https://datasheet.ciiva.com/15143/getdatasheetpartid-164236-15143864.pdf?src-supplier=Verical, Diode Element Material=SILICON, Diode Type="TRANS VOLTAGE SUPPRESSOR", JESD-30 Code=R-PDSO-C2, JESD-609 Code=e3, Manufacturer Part Number=SMAJ12A-13-F, Moisture Sensitivity Level=1, Number of Elements=1, Number of Pins=2, Polarity=Unidirectional, Pricing 1="1=0.29, 10=0.197, 100=0.1322, 500=0.1019, 1000=0.09178, 2000=0.08313 (USD)", Qualification Status="Not Qualified", Reach SVHC Compliant=No, RoHS=Yes, RoHS Compliant=Yes, Stock 1=25706, Supplier 1=Digikey, Surface Mount=Yes, Technology=AVALANCHE, Terminal Finish=Tin, Terminal Form="C BEND", Terminal Position=DUAL
D2 D12: "TVS DIODE 5VWM", Manufacturer=Diodes, Max Breakdown Voltage=9.5V, Max Operating Temperature=150°C, Max Power Dissipation=250mW, Min Breakdown Voltage=5.5V, Min Operating Temperature=-65°C, Package Body Material=Plastic, Package Shape=Rectangular, Package Style="SMALL OUTLINEMeter", Rep Pk Reverse Voltage-Max=5V, Supplier Part Number 1=8076210, Category="TVS Diodes", ComponentLink1Description=https://datasheet.ciiva.com:443/pdfs/VipMasterIC/IC/DIOD/DIOD-S-A0002833665/DIOD-S-A0002833261-1.pdf?src-supplier=IHS+Markit, ComponentLink1URL=https://datasheet.ciiva.com:443/pdfs/VipMasterIC/IC/DIOD/DIOD-S-A0002833665/DIOD-S-A0002833261-1.pdf?src-supplier=IHS+Markit, ComponentLink2Description=http://www.farnell.com/datasheets/2814368.pdf?src-supplier=Farnell, ComponentLink2URL=http://www.farnell.com/datasheets/2814368.pdf?src-supplier=Farnell, ComponentLink3Description=http://www.mouser.com/ds/2/115/DESD5V0U1BA-756900.pdf?src-supplier=Mouser, ComponentLink3URL=http://www.mouser.com/ds/2/115/DESD5V0U1BA-756900.pdf?src-supplier=Mouser, ComponentLink4Description=http://www.farnell.com/datasheets/2814368.pdf?src-supplier=Element14, ComponentLink4URL=http://www.farnell.com/datasheets/2814368.pdf?src-supplier=Element14, ComponentLink5Description=http://www.farnell.com/datasheets/2814368.pdf?src-supplier=Newark, ComponentLink5URL=http://www.farnell.com/datasheets/2814368.pdf?src-supplier=Newark, ComponentLink6Description=https://www.diodes.com/assets/Datasheets/DESD5V0U1BA.pdf?src-supplier=Digikey, ComponentLink6URL=https://www.diodes.com/assets/Datasheets/DESD5V0U1BA.pdf?src-supplier=Digikey, Diode Element Material=SILICON, Diode Type="TRANS VOLTAGE SUPPRESSOR", JESD-30 Code=R-PDSO-G2, Manufacturer Part Number=DESD5V0U1BA-7, Number of Elements=1, Number of Pins=2, Polarity=Bidirectional, Pricing 1="3000=0.0283, 12000=0.0271, 30000=0.0263, 75000=0.0256, 120000=0.0244 (USD)", Reach SVHC Compliant=Yes, Reference Standard=IEC-61000-4-2, RoHS=Yes, RoHS Compliant=Yes, Stock 1=54000, Supplier 1="Future Electronics", Surface Mount=Yes, Technology=AVALANCHE, Terminal Form="Gull Wing", Terminal Position=DUAL
D3: "DIODE SCHOTTKY 10V 3A SOD323", Max Current=3A, Max Voltage=10V
D4 D5 D6 D7 D8 D9 D10 D11 D13 D14 D15 D16 D17 D18 D19 D20 D21 D22 D23 D24 D25 D26 D27 D28 D30_B1 D30_B2 D30_B3: "LED GREEN 2V 0603", Color=Green, Forward Current-Max=30mA, Forward Voltage-Max=2.4V, Manufacturer="Vishay Lite-On", Max Operating Temperature=85°C, Min Operating Temperature=-55°C, Reverse Voltage-Max=5V, Supplier Part Number 1=160-1446-1-ND, Color@wavelength=Green, ComponentLink1Description=https://datasheet.ciiva.com:443/pdfs/VipMasterIC/IC/LITE/LITE-S-A0003156116/LITE-S-A0003156116-1.pdf?src-supplier=IHS+Markit, ComponentLink1URL=https://datasheet.ciiva.com:443/pdfs/VipMasterIC/IC/LITE/LITE-S-A0003156116/LITE-S-A0003156116-1.pdf?src-supplier=IHS+Markit, ComponentLink2Description=https://datasheet.ciiva.com/2109/ltst-c191kgkt-2109973.pdf?src-supplier=Digikey, ComponentLink2URL=https://datasheet.ciiva.com/2109/ltst-c191kgkt-2109973.pdf?src-supplier=Digikey, JESD-609 Code=e3, Lens Style="WATER CLEAR", Luminous Intensity-Nom=35mcd, Manufacturer Part Number=LTST-C191KGKT, Mount="Surface Mount", Number of Functions=1, Number of Pins=2, Optoelectronic Device Type="SINGLE COLOR LED", Overall Height=0.55mm, Packaging="Tape and Reel", Pricing 1="1=0.22, 10=0.121, 100=0.0721, 500=0.05324, 1000=0.04748, 2000=0.04278 (USD)", Reach SVHC Compliant=Yes, RoHS=Yes, RoHS Compliant=Yes, Shape=Rectangular, Size=1.1mm, Stock 1=171853, Supplier 1=Digikey, Terminal Finish=Tin, Terminal Pitch=1.5mm, Viewing Angle=130°
D29_B1 D29_B2 D29_B3: "DIODE TVS 6VWM", Clamping Voltage-Max=12.4V, Manufacturer="ON Semiconductor", Max Operating Temperature=150°C, Max Power Dissipation=200mW, Min Breakdown Voltage=6.8V, Min Operating Temperature=-55°C, Non-rep Peak Rev Power Dis-Max=181W, Package Body Material=Plastic, Package Shape=Rectangular, Package Style="SMALL OUTLINEMeter", Peak Reflow Temperature (Cel)=260°C, Rep Pk Reverse Voltage-Max=6V, Supplier Part Number 1=6072663, Time @ Peak Reflow Temperature-Max (s)=40s, Additional Feature="UL RECOGNIZED", Category="ESD and Circuit Protection ICs", ComponentLink1Description=https://datasheet.ciiva.com:443/pdfs/VipMasterIC/IC/ONSM/ONSM-S-A0006325923/ONSM-S-A0006325923-1.pdf?src-supplier=IHS+Markit, ComponentLink1URL=https://datasheet.ciiva.com:443/pdfs/VipMasterIC/IC/ONSM/ONSM-S-A0006325923/ONSM-S-A0006325923-1.pdf?src-supplier=IHS+Markit, ComponentLink2Description=https://datasheet.ciiva.com/30478/0900766b8125092b-30478790.pdf?src-supplier=Rs, ComponentLink2URL=https://datasheet.ciiva.com/30478/0900766b8125092b-30478790.pdf?src-supplier=Rs, ComponentLink3Description=https://datasheet.ciiva.com/4510/esd5z2-5t1-d-241596-4510609.pdf?src-supplier=Mouser, ComponentLink3URL=https://datasheet.ciiva.com/4510/esd5z2-5t1-d-241596-4510609.pdf?src-supplier=Mouser, ComponentLink4Description=https://datasheet.ciiva.com/15143/getdatasheetpartid-148103-15143777.pdf?src-supplier=Verical, ComponentLink4URL=https://datasheet.ciiva.com/15143/getdatasheetpartid-148103-15143777.pdf?src-supplier=Verical, ComponentLink5Description=https://datasheet.ciiva.com/22642/1878252-22642024.pdf?src-supplier=Element14, ComponentLink5URL=https://datasheet.ciiva.com/22642/1878252-22642024.pdf?src-supplier=Element14, ComponentLink6Description=https://datasheet.ciiva.com/340/esd5z2-5t1-d-340699.pdf?src-supplier=Digikey, ComponentLink6URL=https://datasheet.ciiva.com/340/esd5z2-5t1-d-340699.pdf?src-supplier=Digikey, ComponentLink7Description=https://datasheet.ciiva.com/340/esd5z2-5t1-d-340700.pdf?src-supplier=Digikey, ComponentLink7URL=https://datasheet.ciiva.com/340/esd5z2-5t1-d-340700.pdf?src-supplier=Digikey, ComponentLink8Description=https://datasheet.ciiva.com/340/esd5z2-5t1-d-340701.pdf?src-supplier=Digikey, ComponentLink8URL=https://datasheet.ciiva.com/340/esd5z2-5t1-d-340701.pdf?src-supplier=Digikey, ComponentLink9Description=https://datasheet.ciiva.com/3304/esd5z2-5t1-d-3304009.pdf?src-supplier=Avnet, ComponentLink9URL=https://datasheet.ciiva.com/3304/esd5z2-5t1-d-3304009.pdf?src-supplier=Avnet, Diode Element Material=SILICON, Diode Type="TRANS VOLTAGE SUPPRESSOR", JESD-30 Code=R-PDSO-F2, JESD-609 Code=e3, Manufacturer Part Number=ESD5Z6.0T1G, Moisture Sensitivity Level=1, Number of Elements=1, Number of Pins=2, Polarity=Unidirectional, Pricing 1="3000=0.0199, 12000=0.0191, 45000=0.0183, 75000=0.018, 150000=0.0171 (USD)", Qualification Status="Not Qualified", Reach SVHC Compliant=Yes, Reference Standard=IEC-61000-4-2, RoHS=Yes, RoHS Compliant=Yes, Stock 1=543000, Supplier 1="Future Electronics", Surface Mount=Yes, Technology=AVALANCHE, Terminal Finish=Tin, Terminal Form=Flat, Terminal Position=DUAL
J1 J3: "XT60PW Male", Manufacturer=Unclassified, Supplier Part Number 1=1805375, Manufacturer Part Number=XT60PW-M
J2 J11_B1 J11_B2 J11_B3 J12_B1 J12_B2 J12_B3 J13_B1 J13_B2 J13_B3 J14_B1 J14_B2 J14_B3 J15_B1 J15_B2 J15_B3: "CONN HEADER R/A 3POS 2.54MM"
J4 J5: "RJ45 JACK R/A SHIELDED", Manufacturer="Adam Equipment", Supplier Part Number 1=2057-MTJ-88ARX1-FSM-LG-ND, Category=Connectors, ComponentLink1Description=http://www.adam-tech.com/downloader.php?p=MTJ-88ARX1-FSM-LX.pdf&src-supplier=Digikey, ComponentLink1URL=http://www.adam-tech.com/downloader.php?p=MTJ-88ARX1-FSM-LX.pdf&src-supplier=Digikey, Manufacturer Part Number=MTJ-88ARX1-FSM-LG, Pricing 1="1=0.99, 10=0.756, 25=0.68, 60=0.61483, 120=0.56858, 240=0.52642, 480=0.48815, 960=0.4534, 2400=0.41238 (USD)", RoHS=No, Stock 1=4560, Supplier 1=Digikey
J6 J10: "CONN HEADER VERT 6POS 2.54MM"
J7 J8: "CONN HEADER VERT 5POS 2.54MM"
J9: "CONN USB MICRO B R/A", Contact Resistance=30mR, Dielectric Withstanding Voltage (AC)=100V, Insulation Resistance=1GR, Manufacturer=Molex, Max Operating Temperature=85°C, Min Operating Temperature=-30°C, Rated Current (Signal)=1.8A, Supplier Part Number 1=78R1699, Additional Feature=Shielded, Board Mounting Option=PEG, Body Breadth=0.114inch, Body Depth=0.213inch, Body Length=0.315inch, Body/Shell Style=RECEPTACLE, Category="USB Connectors", ComponentLink1Description=https://datasheet.ciiva.com:443/pdfs/VipMasterIC/IC/MOLE/MOLE-S-A0006795785/MOLE-S-A0006864883-1.pdf?src-supplier=IHS+Markit, ComponentLink1URL=https://datasheet.ciiva.com:443/pdfs/VipMasterIC/IC/MOLE/MOLE-S-A0006795785/MOLE-S-A0006864883-1.pdf?src-supplier=IHS+Markit, ComponentLink2Description=https://datasheet.ciiva.com/30165/235271050170001-io-nectors-30165183.pdf?src-supplier=Onlinecomponents.com, ComponentLink2URL=https://datasheet.ciiva.com/30165/235271050170001-io-nectors-30165183.pdf?src-supplier=Onlinecomponents.com, ComponentLink3Description=https://datasheet.ciiva.com/5742/1598502-5742508.pdf?src-supplier=Farnell, ComponentLink3URL=https://datasheet.ciiva.com/5742/1598502-5742508.pdf?src-supplier=Farnell, Connector Type="TELECOM AND DATACOM CONNECTOR", Contact Finish - Mating=GOLD, Contact Finish - Termination="Gold (Au) - with Nickel (Ni) barrier", Contact Gender=Female, Contact Material="Copper Alloy", Contact Style=USB, DIN Conformance=No, Durability=10000Cycles, Empty Shell=No, Filter Feature=No, IEC Conformance=No, Insulation Material=Polymer, JESD-609 Code=e4, Manufacturer Part Number=1050170001, MIL Conformance=No, Mixed Contacts=No, Mount=Cable, Mounting Option 1=DETENT, Mounting Option 2=LOCKING, Mounting Style="RIGHT ANGLE", Number Of Connectors=1, Number of Contacts=5, Number Of PCB Rows=1, Option="General Purpose", PCB Contact Pattern=RECTANGULAR, Polarization Key="POLARIZED HOUSING", Pricing 1="1=1.14, 25=0.962, 100=0.813, 250=0.812, 1000=0.663 (USD)", Reach SVHC Compliant=Yes, Reference Standard=UL, Reliability=COMMERCIAL, RoHS=Yes, RoHS Compliant=Yes, Shell Finish=Tin, Shell Material="Stainless Steel", Stock 1=6195, Supplier 1=Avnet, Terminal Pitch=0.635mm, Termination=SMD/SMT